# Altium PCB MCU.PcbDoc (part 1 of 2)
Units mm, origin at the board's own origin, x right, y up, seen from the top; angles counter-clockwise.
Board outline 133.25 x 64.9 mm, 2 copper layers (Top Layer, Bottom Layer); 121 components, 111 nets, 596 pads, 405 vias.
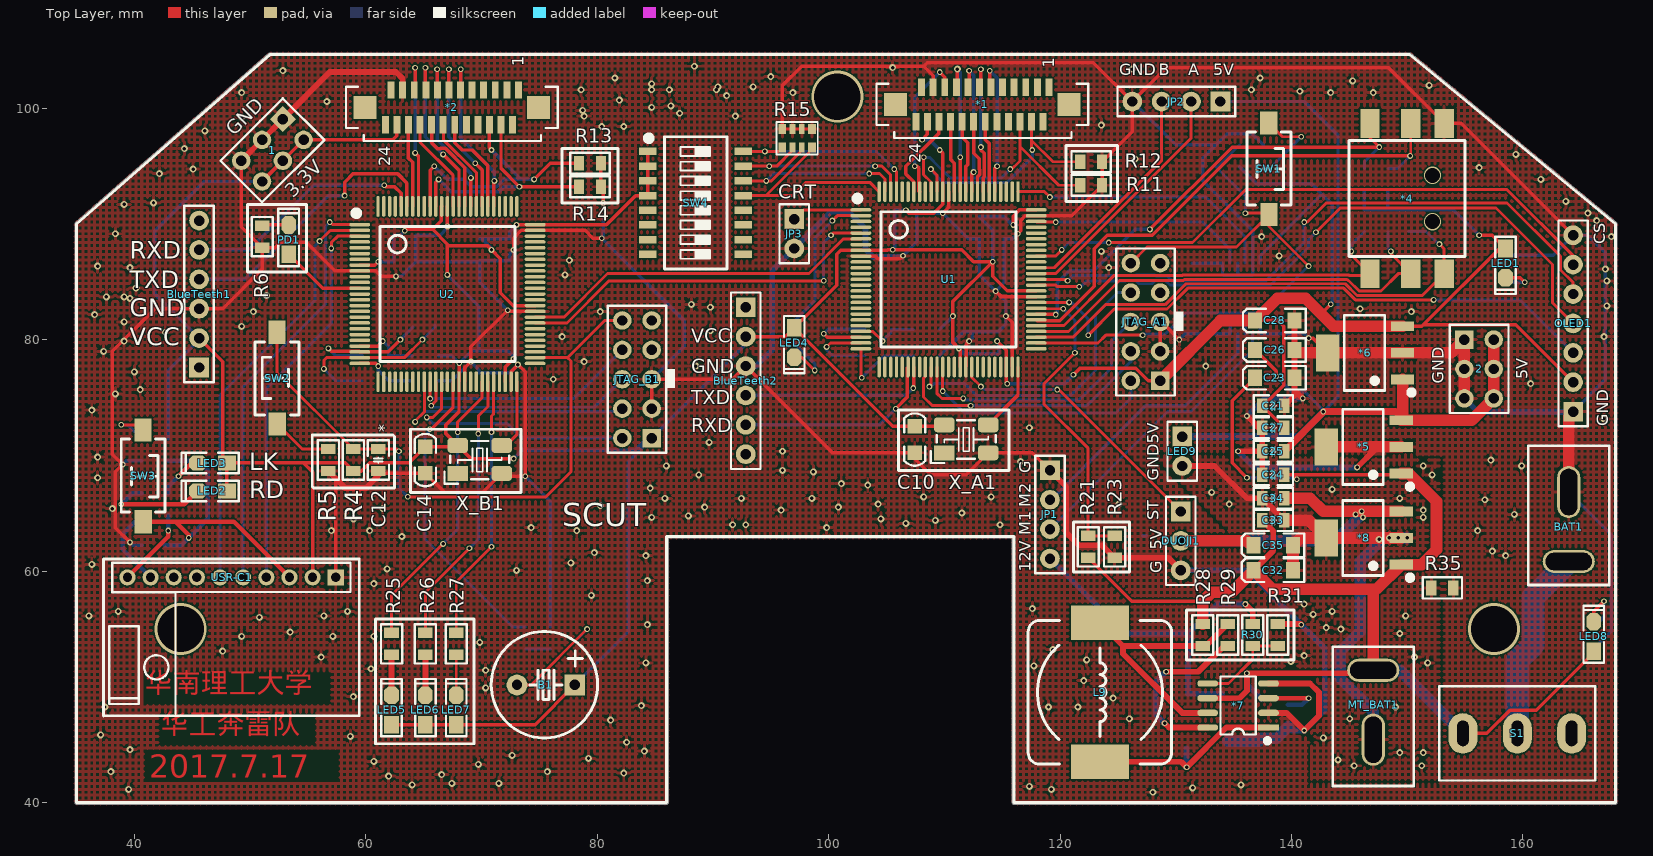
[diagram p0: Top Layer view]
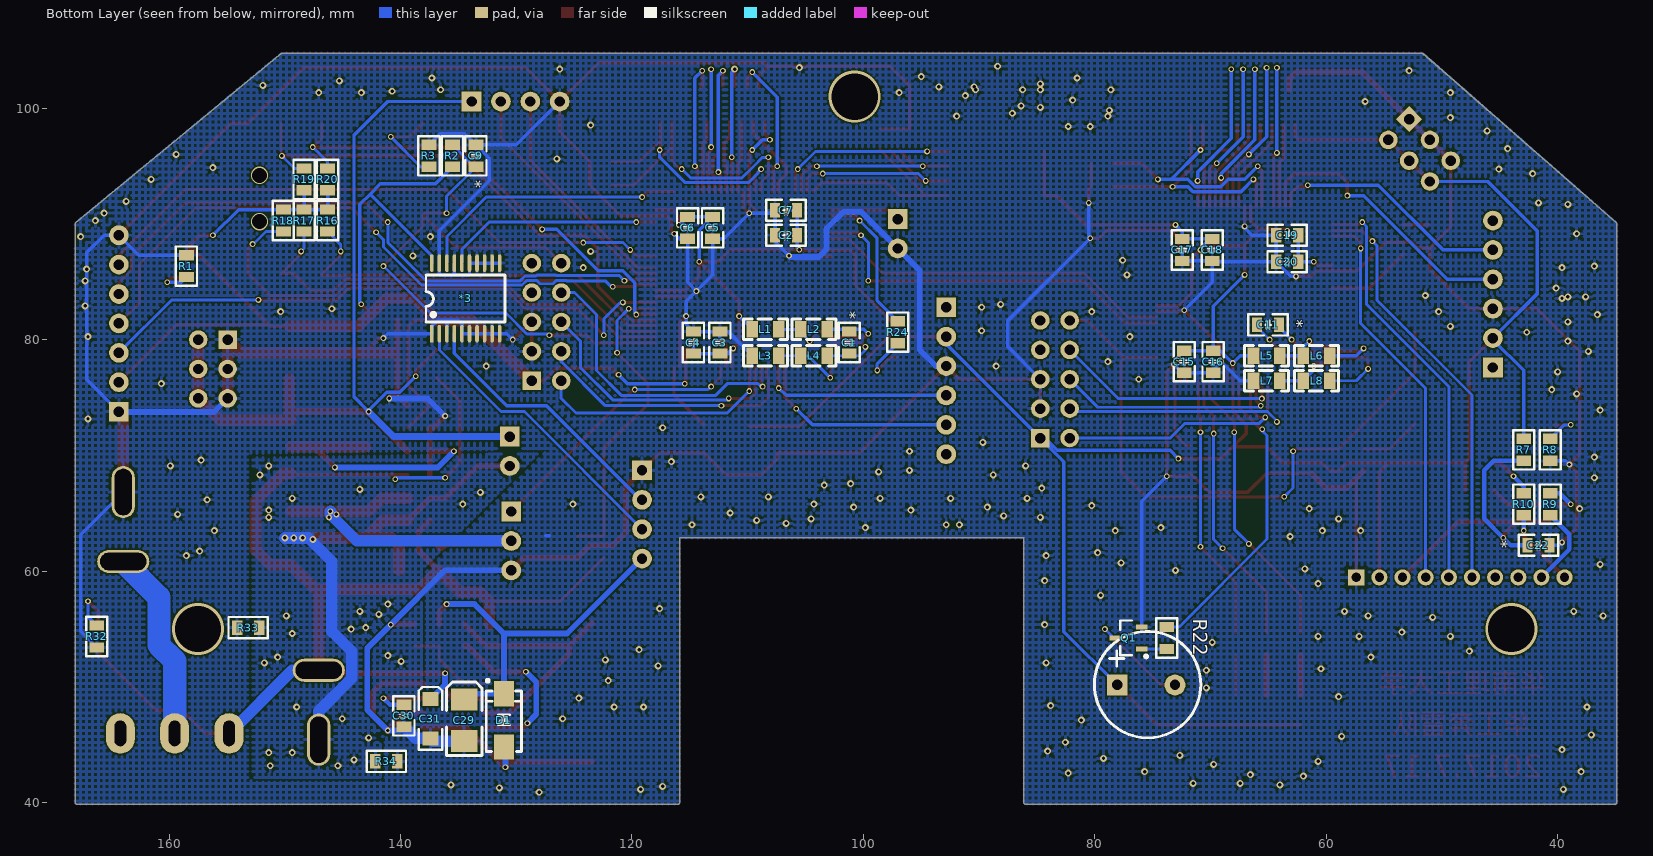
[diagram p1: Bottom Layer view, seen from below]

## Layer stack, top to bottom
Top Solder: solder mask 0.0102, Solder Resist, Dk 3.5
Top Layer: signal copper 0.0356
Dielectric 1: dielectric 0.32, FR-4, Dk 4.8
Bottom Layer: signal copper 0.0356
Bottom Solder: solder mask 0.0102, Solder Resist, Dk 3.5

## Board outline
35,39.873 85.979,39.873 ccw(c85.979,40) 85.99,39.873 ccw(c86,40) 86.127,40 86.127,62.873 115.873,62.873 115.873,40 ccw(c116,40) 116,39.873 168,39.873 ccw(c168,40) 168.127,40 168.127,90 ccw(c168,90) 168.081,90.098 150.294,104.746 cw(c150.213,104.648) 150.294,104.746 ccw(c150.213,104.648) 150.213,104.775 51.741,104.775 ccw(c51.741,104.648) 51.657,104.744 34.916,90.096 ccw(c35,90) 34.873,90 34.873,40 ccw(c35,40)

## Design rules (kind name [scope] priority, off if disabled: settings)
Clearance [All] p1: gap=0.12
Height [All] p1: minheight=0 maxheight=50 prefheight=12.7
HoleSize [All] p1: absolutevalues=TRUE maxlimit=4 minlimit=0.254 maxpercent=80.000 minpercent=20.000
HoleToHoleClearance [All] p1: gap=0.1 allowstackedmicrovias=TRUE
MinimumSolderMaskSliver [All] p1: minsoldermaskwidth=0.09
PolygonConnect [All] p1: connectstyle=Relief reliefconductorwidth=0.254 reliefentries=4 polygonreliefangle="90 Angle" airgapwidth=0.254
RoutingVias [All] p1: holewidth=0.3 width=0.6 viastyle="Through Hole" minholewidth=0.3 minwidth=0.5 maxholewidth=0.8 maxwidth=1.6
SilkToSilkClearance [All] p1: silktosilkclearance=0
SilkToSolderMaskClearance [IsPad] p1: minsilkscreentomaskgap=0 clearancetoexposedcopper=TRUE
SolderMaskExpansion [All] p1: expansion=0.102
Width [All] p1: maxlimit=2 minlimit=0.1 preferedwidth=0.254 minimp=50.000000 maximp=50.000000 favimp=50.000000
24 further rules are at their usual default settings.

## Classes and differential pairs
component class CoreBoard1: C1 C2 C3 C4 C5 C6 C7 C9 C10 JTAG_A1 L1 L2 L3 L4 LED1 R1 R2 R3 SW1 U1 X_A1
component class CoreBoard2: C11 C12 C14 C15 C16 C17 C18 C19 C20 JTAG_B1 L5 L6 L7 L8 PD1 R4 R5 R6 SW2 U2 X_B1
component class MCU: *1 *2 *3 *4 B1 BlueTeeth1 BlueTeeth2 C21 C22 DUOJI1 JP1 JP2 JP3 LED2 LED3 LED4 LED5 LED6 LED7 OLED1 Q1 R7 R8 R9 R10 R11 R12 R13 R14 R15 R16 R17 R18 R19 R20 R21 R22 R23 R24 R25 R26 R27 SW3 SW4 USR-C1
component class Source: 1 2 *5 *6 *7 *8 BAT1 C23 C24 C25 C26 C27 C28 C29 C30 C31 C32 C33 C34 C35 D1 L9 LED8 LED9 MT_BAT1 R28 R29 R30 R31 R32 R33 R34 R35 S1

## Components (designator, comment, footprint, x,y, rotation, side; value= is the part's Value field where it differs from the comment)
1 "Header3X2" HDR-3X2 52.832,99.06 r225 top
2 "Header3X2" HDR-3X2 154.94,80.01 r270 top
*1 "FPC24P" FH12-24S-0.5SV 113.284,100.33 r180 top
*2 "FPC24P" FH12-24S-0.5SV 67.437,100.076 r180 top
*3 "74LVC245" TSSOP-20 137.287,80.518 r90 bottom
*4 "大五向开关" 五向 149.987,92.202 r90 top
*5 "LM7805" SOT223_N 146.177,70.739 r90 top
*6 "LT1963" SOT223_N 146.304,78.867 r90 top
*7 "MC34063" SOP8_N 135.382,48.387 r180 top
*8 "LM7805" SOT223_N 146.177,62.865 r90 top
B1 "DC5V" "BEEP 5x9x5.5" 75.565,50.165 r90 top
BAT1 "Header 2" "SW - duplicate" 163.957,60.833 r90 top
BlueTeeth1 "HDR-1X6" HDR2.54-LI-6P 45.593,83.947 r90 top
BlueTeeth2 "HDR-1X6" HDR2.54-LI-6P 92.837,76.454 r270 top
C1 "105" "C 0805_L" 101.219,79.756 r90 bottom
C2 "104" "C 0805_L" 106.68,89.027 r180 bottom
C3 "104" "C 0805_L" 112.395,79.756 r270 bottom
C4 "104" "C 0805_L" 114.681,79.756 r270 bottom
C5 "104" "C 0805_L" 113.03,89.662 r90 bottom
C6 "104" "C 0805_L" 115.189,89.662 r90 bottom
C7 "104" "C 0805_L" 106.68,91.186 r180 bottom
C9 "105" "C 0805_L" 133.477,95.885 r270 bottom
C10 "104" "C 0805" 107.442,71.374 r90 top
C11 "105" "C 0805_L" 65.024,81.28 r180 bottom
C12 "105" "C 0805_L" 61.087,69.596 r90 top
C14 "104" "C 0805" 65.151,69.596 r90 top
C15 "104" "C 0805_L" 72.263,78.105 r90 bottom
C16 "104" "C 0805_L" 69.774,78.105 r90 bottom
C17 "104" "C 0805_L" 72.441,87.757 r90 bottom
C18 "104" "C 0805_L" 69.85,87.757 r90 bottom
C19 "104" "C 0805_L" 63.373,89.027 r180 bottom
C20 "104" "C 0805_L" 63.373,86.741 r180 bottom
C21 "105" "C 0805_L" 138.43,74.295 r180 top
C22 "105" "C 0805_L" 41.656,62.23 r0 bottom
C23 "Cap2" "CD A(3216)" 138.557,76.708 r0 top
C24 "104" "C 0805_L" 138.43,68.326 r0 top
C25 "104" "C 0805_L" 138.43,70.358 r0 top
C26 "Cap2" "CD A(3216)" 138.557,79.121 r0 top
C27 "104" "C 0805_L" 138.43,72.39 r0 top
C28 "Cap2" "CD A(3216)" 138.557,81.661 r0 top
C29 "Cap Pol1" "CD B(3528)" 134.493,47.117 r270 bottom
C30 "Cap" "C 0805_L" 139.7,47.498 r270 bottom
C31 "Cap Pol1" "CD A(3216)" 137.414,47.244 r270 bottom
C32 "Cap2" "CD A(3216)" 138.43,60.071 r0 top
C33 "104" "C 0805_L" 138.43,64.389 r180 top
C34 "104" "C 0805_L" 138.43,66.294 r0 top
C35 "Cap2" "CD A(3216)" 138.43,62.23 r0 top
D1 "IN5819" SMA 131.064,47.103 r90 bottom
DUOJI1 "HDR-1X3" HDR2.54-LI-3P 130.429,62.611 r270 top
JP1 "HDR-1X4" HDR2.54-LI-4P 119.126,64.897 r270 top
JP2 "HDR-1X4" HDR2.54-LI-4P 130.048,100.584 r180 top
JP3 "HDR-1X2" HDR2.54-LI-2P 97.028,89.154 r270 top
JTAG_A1 "Header 5X2" HDR-5X2 128.651,76.454 r90 top
JTAG_B1 "Header 5X2" HDR-5X2 84.709,71.501 r90 top
L1 "4.8nH" "L 0805" 108.458,80.899 r180 bottom
L2 "4.8nH" "L 0805" 104.267,80.899 r180 bottom
L3 "4.8nH" "L 0805" 108.458,78.613 r180 bottom
L4 "4.8nH" "L 0805" 104.267,78.613 r180 bottom
L5 "4.8nH" "L 0805" 65.151,78.613 r180 bottom
L6 "4.8nH" "L 0805" 60.833,78.613 r180 bottom
L7 "4.8nH" "L 0805" 65.151,76.454 r180 bottom
L8 "4.8nH" "L 0805" 60.833,76.454 r180 bottom
L9 "Inductor" CDRH124 123.444,49.53 r270 top
LED1 "红色" "LED 0805B" 158.496,86.614 r270 top
LED2 "红色" "LED 0805B" 46.736,66.929 r180 top
LED3 "红色" "LED 0805B" 46.736,69.342 r180 top
LED4 "红色" "LED 0805B" 97.028,79.756 r270 top
LED5 "红色" "LED 0805B" 62.23,48.006 r90 top
LED6 "红色" "LED 0805B" 65.151,48.006 r90 top
LED7 "红色" "LED 0805B" 67.818,48.006 r90 top
LED8 "红色" "LED 0805R" 166.116,54.356 r90 top
LED9 "HDR-1X2" HDR-1X2 130.556,71.628 r270 top
MT_BAT1 "Header 2" "SW - duplicate" 147.066,51.435 r270 top
OLED1 "OLED 1.3-12864_7pin" HDR2.54-M-LI-7P 164.338,81.407 r90 top
PD1 "LED" "LED 0805R" 53.34,88.646 r90 top
Q1 "SS8050" SOT23-3L 77.089,54.229 r90 bottom
R1 "1K" "R 0805_L" 158.496,86.36 r90 bottom
R2 "4.7K" "R 0805_L" 135.509,95.885 r270 bottom
R3 "100R" "R 0805_L" 137.541,95.885 r270 bottom
R4 "4.7K" "R 0805_L" 58.928,69.596 r270 top
R5 "100R" "R 0805_L" 56.769,69.596 r90 top
R6 "1K" "R 0805_L" 51.054,88.9 r270 top
R7 "4.7K" "R 0805_L" 42.926,70.485 r90 bottom
R8 "100R" "R 0805_L" 40.64,70.485 r90 bottom
R9 "1K" "R 0805_L" 40.64,65.786 r270 bottom
R10 "1K" "R 0805_L" 42.926,65.786 r270 bottom
R11 "150R" "R 0805_L" 122.682,93.345 r180 top
R12 "150R" "R 0805_L" 122.682,95.377 r180 top
R13 "150R" "R 0805_L" 79.375,95.25 r180 top
R14 "150R" "R 0805_L" 79.375,93.218 r180 top
R15 "103" RCA-8P4R-0603 97.282,97.409 r0 top
R16 "1K" "R 0805_L" 146.304,90.297 r270 bottom
R17 "1K" "R 0805_L" 148.336,90.297 r270 bottom
R18 "1K" "R 0805_L" 150.114,90.297 r270 bottom
R19 "1K" "R 0805_L" 148.336,93.853 r90 bottom
R20 "1K" "R 0805_L" 146.304,93.853 r90 bottom
R21 "20K" "R 0805_L" 122.428,62.103 r90 top
R22 "1K" "R 0805_L" 73.787,54.229 r270 bottom
R23 "10K" "R 0805_L" 124.714,62.103 r90 top
R24 "1K" "R 0805_L" 97.028,80.645 r90 bottom
R25 "1K" "R 0805_L" 62.23,53.721 r90 top
R26 "1K" "R 0805_L" 65.151,53.721 r90 top
R27 "1K" "R 0805_L" 67.818,53.721 r90 top
R28 "Res2" "R 0805_L" 132.334,54.483 r90 top
R29 "Res2" "R 0805_L" 134.493,54.483 r90 top
R30 "Res2" "R 0805_L" 136.652,54.483 r270 top
R31 "Res2" "R 0805_L" 138.811,54.483 r270 top
R32 "1K" "R 0805_L" 166.243,54.356 r270 bottom
R33 "Res2" "R 0805_L" 153.162,55.118 r180 bottom
R34 "Res2" "R 0805_L" 141.224,43.561 r0 bottom
R35 "Res2" "R 0805_L" 153.035,58.547 r180 top
S1 "SW-SPST" MTS-10x 159.512,45.974 r0 top
SW1 "3x6x5" "TSW SMD-3*6*2.5" 138.049,94.742 r270 top
SW2 "3x6x5" "TSW SMD-3*6*2.5" 52.324,76.708 r90 top
SW3 "3x6x5" "TSW SMD-3*6*2.5" 40.767,68.199 r270 top
SW4 "CSW-8P" "CSW1.27 SMD-8P" 88.519,91.821 r270 top
U1 "MK60DN512VLL10" "LQFP100 14x14_N" 110.363,85.217 r270 top
U2 "MK60DN512VLL10" "LQFP100 14x14_N" 67.056,83.947 r270 top
USR-C1 "USR-C215" DIP2.0*1-10-M 57.404,59.436 r90 top
X_A1 "26M" "OSC 5032-4P" 111.887,71.374 r0 top
X_B1 "50M" "OSC 5032-4P" 69.85,69.596 r0 top

## Footprints (in the part's own frame and the unit in brackets; to place one, negate y for a bottom-side part, rotate by r counter-clockwise, add the part's x,y. Pads: shape width x height; smd on the part's side, far side on the other; paste and mask are expansions set on the pad)
"BEEP 5x9x5.5" [mm] "5*9*5.5mm(脚距,直径,高度)"
  rect 1.8x1.8 hole 0.9: 1(0,-2.5)
  round 1.8 hole 0.9: 2(0,2.5)
  silkscreen extent -4.57,-4.47 4.62,4.73, body extent -4.5,-4.5 4.5,4.5, height 5.45
"C 0805" [mil] "无极性贴片电容"
  rect 50x50 smd: 1(-45,0) 2(45,0)
  silkscreen extent -89,-36 89,36, body extent -39,-24 39,24, height 20
"C 0805_L" [mil] "无极性贴片电容"
  rect 35x50 smd: 1(-37.4,0) 2(37.4,0)
  silkscreen extent -67,-36 67,36, body extent -39,-24 39,24, height 20
"CD A(3216)" [mm] "长3.2mm，宽1.6mm，厚1.6mm"
  rect 1.2x1.4 smd: 1(-1.7,0) 2(1.7,0)
  silkscreen extent -2.74,-1.02 2.67,1.02, body extent -1.6,-0.8 1.6,0.8, height 1.6
"CD B(3528)" [mil] "长3.5mm，宽2.8mm，厚1.9mm"
  rect 75x90 smd: 1(-70.87,-0.01) 2(70.86,-0.01)
  silkscreen extent -130,-60 120,60, body extent -69,-55 69,55, height 75
CDRH124 [mm] "12*12*4.5mm（长宽高）"
  rect 3x5 smd: 1(-6,0) 2(6,0)
  silkscreen extent -6.2,-6.2 6.2,6.2, body extent -6,-6 6,6, height 4.55
"CSW1.27 SMD-8P" [mm] "长：11.76mm，宽：5.4mm，高：2.3mm"
  rect 0.65x1.5 smd: 1(-4.445,-4.15) 2(-3.175,-4.15) 3(-1.905,-4.15) 4(-0.635,-4.15) 5(0.635,-4.15) 6(1.905,-4.15) 7(3.175,-4.15) 8(4.445,-4.15) 9(4.445,4.105) 10(3.175,4.105) 11(1.905,4.105) 12(0.635,4.105) 13(-0.635,4.105) 14(-1.905,4.105) 15(-3.175,4.105) 16(-4.445,4.105)
  silkscreen extent -5.84,-4.31 5.72,2.7, body extent -5.88,-4.35 5.88,4.35, height 2.35
DIP2.0*1-10-M [mil]
  rect 55x55 hole 31.5: 1(1,0)
  round 55 hole 31.5: 2(1,78.74) 3(1,157.48) 4(1,236.22) 5(1,314.96) 6(1,393.7) 7(1,472.44) 8(1,551.18) 9(1,629.92) 10(1,708.66)
  silkscreen extent -470,-80 63,790
FH12-24S-0.5SV [mm] "Connector; FH12 Series; 24 Position; 0.5mm Spaced Vertical Mounting"
  rect 2x2 smd: 0(-7.5,0) 0(7.5,0)
  rect 0.6x1.5 smd: 1(-5.75,-1.5) 2(-5.25,1.5) 3(-4.75,-1.5) 4(-4.25,1.5) 5(-3.75,-1.5) 6(-3.25,1.5) 7(-2.75,-1.5) 8(-2.25,1.5) 9(-1.75,-1.5) 10(-1.25,1.5) 11(-0.75,-1.5) 12(-0.25,1.5) 13(0.25,-1.5) 14(0.75,1.5) 15(1.25,-1.5) 16(1.75,1.5) 17(2.25,-1.5) 18(2.75,1.5) 19(3.25,-1.5) 20(3.75,1.5) 21(4.25,-1.5) 22(4.75,1.5) 23(5.25,-1.5) 24(5.75,1.5)
  silkscreen extent -9.14,-1.78 9.14,2.9
HDR2.54-LI-2P [mm] "排针，2脚"
  rect 1.7x1.7 hole 0.9: 1(-1.27,0)
  round 1.7 hole 0.9: 2(1.27,0)
  silkscreen extent -2.54,-1.27 2.54,1.27, body extent -2.54,-1.27 2.54,1.27, height 8.5
HDR2.54-LI-3P [mm] "排针，3脚"
  rect 1.7x1.7 hole 0.9: 1(-2.54,0)
  round 1.7 hole 0.9: 2(0,0) 3(2.54,0)
  silkscreen extent -3.81,-1.27 3.81,1.27, body extent -3.81,-1.27 3.81,1.27, height 8.5
HDR2.54-LI-4P [mm] "排针，4脚"
  rect 1.7x1.7 hole 0.9: 1(-3.81,0)
  round 1.7 hole 0.9: 2(-1.27,0) 3(1.27,0) 4(3.81,0)
  silkscreen extent -5.08,-1.27 5.08,1.27, body extent -5.08,-1.27 5.08,1.27, height 8.5
HDR2.54-LI-6P [mm] "排针，6脚"
  rect 1.7x1.7 hole 0.9: 1(-6.35,0)
  round 1.7 hole 0.9: 2(-3.81,0) 3(-1.27,0) 4(1.27,0) 5(3.81,0) 6(6.35,0)
  silkscreen extent -7.62,-1.27 7.62,1.27, body extent -7.62,-1.27 7.62,1.27, height 8.5
HDR2.54-M-LI-7P [mm] "排母，7脚"
  rect 1.7x1.7 hole 0.9: 1(-7.62,0)
  round 1.7 hole 0.9: 2(-5.08,0) 3(-2.54,0) 4(0,0) 5(2.54,0) 6(5.08,0) 7(7.62,0)
  silkscreen extent -8.89,-1.27 8.89,1.27, body extent -8.89,-1.27 8.89,1.27, height 8.5
HDR-1X2 [mm] "排针，2脚"
  rect 1.7x1.7 hole 0.9: 1(0,0)
  round 1.7 hole 0.9: 2(2.54,0)
  silkscreen extent -1.27,-1.27 3.81,1.27, body extent -1.27,-1.27 3.81,1.27, height 8.5
HDR-3X2 [mm] "双排排针，3x2脚"
  rect 1.6x1.6 hole 0.9: 1(0,0)
  round 1.6 hole 0.9: 2(0,2.54) 3(2.54,0) 4(2.54,2.54) 5(5.08,0) 6(5.08,2.54)
  silkscreen extent -1.27,-1.27 6.35,3.81, body extent -1.27,-1.27 6.35,3.81, height 8.5
HDR-5X2 [mm] "双排排针，5x2脚"
  rect 1.6x1.6 hole 0.9: 1(0,0)
  round 1.6 hole 0.9: 2(0,2.54) 3(2.54,0) 4(2.54,2.54) 5(5.08,0) 6(5.08,2.54) 7(7.62,0) 8(7.62,2.54) 9(10.16,0) 10(10.16,2.54)
  silkscreen extent -1.27,-1.27 11.43,3.81, body extent -1.27,-1.27 11.43,3.81, height 8.5
"L 0805" [mil] "小功率贴片电感"
  rect 40x55 smd: 1(-45,0) 2(45,0)
  silkscreen extent -75,-35 75,35, body extent -39,-24 39,24, height 35
"LED 0805B" [mil] "蓝色0805LED"
  rect 60x50 smd: 1(-50,0)
  oct 60x50 smd: 2(50,0)
  silkscreen extent -90,-35 105,35, body extent -39,-25 39,25, height 32
"LED 0805R" [mil] "红色0805LED"
  rect 60x50 smd: 1(-50,0)
  oct 60x50 smd: 2(50,0)
  silkscreen extent -90,-35 105,35, body extent -39,-25 39,25, height 32
"LQFP100 14x14_N" [mm] "100脚，体宽14x14mm，脚距0.5mm"
  oval 0.3x1.8 smd: 1(-6,-7.575) 2(-5.5,-7.575) 3(-5,-7.575) 4(-4.5,-7.575) 5(-4,-7.575) 6(-3.5,-7.575) 7(-3,-7.575) 8(-2.5,-7.575) 9(-2,-7.575) 10(-1.5,-7.575) 11(-1,-7.575) 12(-0.5,-7.575) 13(0,-7.575) 14(0.5,-7.575) 15(1,-7.575) 16(1.5,-7.575) 17(2,-7.575) 18(2.5,-7.575) 19(3,-7.575) 20(3.5,-7.575) 21(4,-7.575) 22(4.5,-7.575) 23(5,-7.575) 24(5.5,-7.575) 25(6,-7.575) 51(6,7.575) 52(5.5,7.575) 53(5,7.575) 54(4.5,7.575) 55(4,7.575) 56(3.5,7.575) 57(3,7.575) 58(2.5,7.575) 59(2,7.575) 60(1.5,7.575) 61(1,7.575) 62(0.5,7.575) 63(0,7.575) 64(-0.5,7.575) 65(-1,7.575) 66(-1.5,7.575) 67(-2,7.575) 68(-2.5,7.575) 69(-3,7.575) 70(-3.5,7.575) 71(-4,7.575) 72(-4.5,7.575) 73(-5,7.575) 74(-5.5,7.575) 75(-6,7.575)
  oval 1.8x0.3 smd: 26(7.576,-6) 27(7.576,-5.5) 28(7.576,-5) 29(7.576,-4.5) 30(7.576,-4) 31(7.576,-3.5) 32(7.576,-3) 33(7.576,-2.5) 34(7.576,-2) 35(7.576,-1.5) 36(7.576,-1) 37(7.576,-0.5) 38(7.576,0) 39(7.576,0.5) 40(7.576,1) 41(7.576,1.5) 42(7.576,2) 43(7.576,2.5) 44(7.576,3) 45(7.576,3.5) 46(7.576,4) 47(7.576,4.5) 48(7.576,5) 49(7.576,5.5) 50(7.576,6) 76(-7.575,6) 77(-7.575,5.5) 78(-7.575,5) 79(-7.575,4.5) 80(-7.575,4) 81(-7.575,3.5) 82(-7.575,3) 83(-7.575,2.5) 84(-7.575,2) 85(-7.575,1.5) 86(-7.575,1) 87(-7.575,0.5) 88(-7.575,0) 89(-7.575,-0.5) 90(-7.575,-1) 91(-7.575,-1.5) 92(-7.575,-2) 93(-7.575,-2.5) 94(-7.575,-3) 95(-7.575,-3.5) 96(-7.575,-4) 97(-7.575,-4.5) 98(-7.575,-5) 99(-7.575,-5.5) 100(-7.575,-6)
  silkscreen extent -7.23,-8.12 5.84,5.84, body extent -8,-8 8,8, height 1.45
MTS-10x [mm] "MTS10系列3脚扭子开关"
  oval 2.5x3.5 hole 1 slot 2.2 at 90 deg unplated: 1(-4.7,0) 2(0,0) 3(4.7,0)
  silkscreen extent -6.73,-4.06 6.73,4.06, body extent -6.6,-3.95 6.6,3.95, height 30.47
"OSC 5032-4P" [mm] "5mm*3.2mm*0.8mm(长*宽*高)"
  rect 1.8x1.3 smd: 1(-1.9,-1.15)
  rrect50% 1.8x1.3 smd: 2(1.9,-1.15) 3(1.9,1.272) 4(-1.9,1.272)
  silkscreen extent -3.05,-2.03 2.54,1.65, body extent -2.5,-1.6 2.5,1.6, height 0.86
"R 0805_L" [mil] "1/8W贴片电阻"
  rect 35x50 smd: 1(-37.4,0) 2(37.4,0)
  silkscreen extent -67,-36 67,36, body extent -39,-25 39,25, height 20
RCA-8P4R-0603 [mm] "3.2mm*1.6mm*0.6mm(长*宽*厚)"
  rect 0.65x0.9 smd: 1(-1.28,-0.8) 4(1.28,-0.8) 5(1.28,0.8) 8(-1.28,0.8)
  rect 0.5x0.9 smd: 2(-0.4,-0.8) 3(0.4,-0.8) 6(0.4,0.8) 7(-0.4,0.8)
  silkscreen extent -1.78,-1.4 1.78,1.4, body extent -1.6,-0.8 1.6,0.8, height 0.6
SMA [mm] "4.5x2.6*2.2mm（长宽高，不包括引脚）"
  rect 2.2x1.75 smd: 1(-2.3,0) 2(2.3,0)
  silkscreen extent -2.7,-1.52 3.56,1.52, body extent -2.53,-1.3 2.57,1.3, height 2.15
SOP8_N [mm] "5*6*1.8mm（长宽高）"
  rect 1.8x0.55 smd: 1(-2.625,1.905)
  oval 1.8x0.55 smd: 2(-2.625,0.635) 3(-2.625,-0.635) 4(-2.625,-1.905) 5(2.625,-1.905) 6(2.625,-0.635) 7(2.625,0.635) 8(2.625,1.905)
  silkscreen extent -2.69,-2.5 1.52,3.2, body extent -3,-2.5 3,2.5, height 1.9
SOT23-3L [mm] "3x1.3x1mm(长宽高)"
  rect 0.45x1 smd: 1(-0.95,-1.143) 2(0.95,-1.143) 3(0,1.125)
  silkscreen extent -1.72,-1.65 1.5,0.7, body extent -1.5,-1.2 1.5,1.2, height 1.05
SOT223_N [mm] "6.4x7x1.6mm(长宽高)"
  rect 0.85x2 smd: 1(-2.3,-3.302) 2(0,-3.302) 3(2.3,-3.302)
  rect 3.2x2 smd: 2(0,3.175)
  silkscreen extent -3.63,-4.26 3.25,1.75, body extent -3.25,-3.51 3.25,3.51, height 1.65
"SW - duplicate" [mm]
  oval 2x4.5 hole 1.5 slot 4 at 90 deg: 1(0,0)
  oval 4.5x2 hole 1.5 slot 4 at 0 deg: 2(6,0)
  silkscreen extent -2.03,-3.5 10,3.5
TSSOP-20 [mil]
  rect 60x12 smd: 1(0,0)
  oval 60x12 smd: 2(0,-25.59) 3(0,-51.18) 4(0,-76.77) 5(0,-102.36) 6(0,-127.95) 7(0,-153.54) 8(0,-179.13) 9(0,-204.72) 10(0,-230.31) 11(240.16,-230.31) 12(240.16,-204.72) 13(240.16,-179.13) 14(240.16,-153.54) 15(240.16,-127.95) 16(240.16,-102.36) 17(240.16,-76.77) 18(240.16,-51.18) 19(240.16,-25.59) 20(240.16,0)
  silkscreen extent 40,-249 200,20, body extent 6,-254 234,24, height 79
"TSW SMD-3*6*2.5" [mm] "3*6*2.5mm"
  rect 2x1.5 smd: 1(-3.996,-0.02) 2(3.937,0)
  silkscreen extent -3.21,-1.9 3.09,1.9, body extent -4,-1.88 4,1.62, height 2.59
五向 [mm]
  rect 2.5x1.67 smd: 1(-6.5,3.2) 2(-6.5,-0.32) 3(-6.5,-3.2) 4(6.5,-3.2) 5(6.5,-0.32) 6(6.5,3.2)
  silkscreen extent -5,-5 5,5

## Part data
1 2: library part "Header 3X2", "3*2P接插件"
*5 *6 *8: library part LM2940
B1: library part BEEP, "蜂鸣器"
BAT1 MT_BAT1: "Header, 2-Pin"
BlueTeeth1 BlueTeeth2: library part "Header 6", "6P接插件"
C1 C2 C3 C4 C5 C6 C7 C9 C11 C12 C15 C16 C17 C18 C19 C20 C21 C22: library part CAP, "Capacitor"
C10 C14: library part C, "无极性贴片电容"
C23 C26 C28 C30 C32 C35: "Capacitor"
C24 C25 C27 C33 C34: library part Cap, "Capacitor"
C29 C31: "Polarized Capacitor (Radial)"
D1: library part Diode, "Default Diode"
DUOJI1: library part "Header 3", "3P接插件"
JP1 JP2: library part "Header 4", "4P接插件"
JP3 LED9: library part "Header 2", "2P接插件"
JTAG_A1 JTAG_B1: "5*2P接插件"
L1 L2 L3 L4 L5 L6 L7 L8: library part Inductor, "Inductor"
LED1 LED2 LED3 LED4 LED5 LED6 LED7 LED8: library part LED-SMD, "贴片LED"
OLED1: "12864 点阵屏"
Q1: library part 8050-SMD, "高频放大-NPN型"
R1 R2 R3 R4 R5 R6 R7 R8 R9 R10 R11 R12 R13 R14 R21 R22 R23 R24 R25 R26 R27 R32: library part Res2, "Resistor"
R15: library part R-8P4R, "贴片网络排阻"
R16 R17 R18 R19 R20: library part R, "贴片电阻"
R28 R29 R30 R31 R33 R34 R35: "Resistor"
S1: "Single-Pole, Single-Throw Switch"
SW1 SW2 SW3: library part "TSW 3x6", "3x6轻触开关"
SW4: "8路编码开关"
U1 U2: library part MK60DN512ZVLQ10, "MK60DN512ZVLL10"
X_A1 X_B1: library part XTAL-4, "4脚晶振"

## Via types
v1: diameter 0.6, hole 0.3, Top Layer to Bottom Layer, tented both sides, 235 vias
v2: diameter 0.5, hole 0.3, Top Layer to Bottom Layer, tented both sides, 165 vias
v3: diameter 4.5, hole 4, Top Layer to Bottom Layer, tented both sides, 3 vias
v4: diameter 1.5, hole 1.3, Top Layer to Bottom Layer, tented both sides, 2 vias

## Nets (pads, with @x,y where several pads share a name; then routed paths per layer and width w, separated by ;. In a path a pad name is that pad's centre, name@x,y a point inside that pad or via, vN(x,y) a via of type N, cw(c..) or ccw(c..) an arc to the next point about the centre after c; other vN are vias at no path point)
3.3V: 1.2 1.4 1.6 *1.22 *2.22 *3.20 *6.3 B1.1 BlueTeeth1.2 BlueTeeth2.2 C2.2 C3.2 C4.2 C5.2 C6.2 C7.2 C10.2 C14.2 C15.2 C16.2 C17.2 C18.2 C19.2 C20.2 C21.2 C27.2 C28.1 JTAG_A1.1 JTAG_B1.1 L1.1 L5.1 LED1.1 LED2.1 LED3.1 LED4.1 LED5.1 LED6.1 LED7.1 OLED1.2 R2.2 R4.2 R7.2 R16.1 R17.1 R18.1 R19.1 R20.1 SW4.1 SW4.2 SW4.3 SW4.4 U1.8 U1.40 U1.48 U1.61 U1.75 U1.89 U2.8 U2.40 U2.48 U2.61 U2.75 U2.89 USR-C1.2 X_A1.4 X_B1.4 | length 456.5
  Top Layer w0.3: BlueTeeth1.2@45.593,80.137 47.625,78.105 47.625,69.723 LED3.1@48.006,69.342 ; LED2.1@48.006,66.929 LED3.1@48.006,69.342 ; 1.6@51.036,93.672 1.2@54.628,97.264 62.339,97.264 62.687,97.612 *2.22@62.687,98.576 ; USR-C1.2@55.404,59.461 55.404,68.566 54.61,69.36 ; U2.8@59.481,86.447 60.793,86.447 v2(61.087,86.741) ; LED5.1@62.23,46.736 LED6.1@65.151,46.736 LED7.1@67.818,46.736 74.636,46.736 B1.1@78.065,50.165 ; v2(63.373,89.408) 63.5,89.535 65.786,89.535 ; U2.89@66.556,91.522 66.536,91.522 66.536,90.285 65.786,89.535 ; v2(67.056,85.598) 67.056,88.265 ; X_B1.4@67.821,70.739 C14.2@65.151,70.739 63.772,69.36 60.34,69.36 59.626,68.646 R4.2@58.928,68.646 58.214,69.36 54.61,69.36 ; v2(68.072,77.978) 68.072,76.387 U2.40@68.056,76.371 68.056,73.771 66.929,72.644 66.929,71.889 X_B1.4@67.95,70.868 69.095,69.723 v2(72.771,69.723) ; U2.48@72.056,76.371 72.056,77.644 v2(72.771,78.359) ; v2(73.025,89.916) 73.056,89.947 U2.75@74.631,89.947 80.803,89.947 83.312,92.456 SW4.4@84.369,92.456 SW4.3@84.369,93.726 SW4.2@84.369,94.996 SW4.1@84.369,96.266 ; U2.61@74.631,82.947 72.755,82.947 71.628,84.074 71.628,86.995 v2(70.866,87.757) 70.485,88.138 67.183,88.138 67.056,88.265 ; BlueTeeth2.2@92.837,80.264 96.266,80.264 LED4.1@97.028,81.026 ; v2(106.68,91.186) 106.934,90.932 109.093,90.932 109.863,91.702 U1.89@109.863,92.792 109.863,96.131 v2(109.601,96.393) ; v2(108.077,97.282) 108.534,97.739 *1.22@108.534,98.83 ; X_A1.4@109.858,72.517 C10.2@107.442,72.517 105.537,72.517 LED4.1@97.028,81.026 ; U1.40@111.379,77.657 111.379,79.121 v2(111.252,79.248) 110.744,79.756 v2(110.744,82.042) 110.744,83.312 v2(114.173,86.741) ; v2(114.554,79.883) 115.363,79.074 U1.48@115.363,77.641 115.363,76.28 v2(115.443,76.2) ; v2(115.951,89.916) 115.951,90.678 116.49,91.217 U1.75@117.938,91.217 ; U1.61@117.938,84.217 115.427,84.217 114.173,85.471 v2(114.173,86.741) ; v2(121.158,76.962) 121.72,77.524 126.554,77.524 127.624,76.454 JTAG_A1.1@128.651,76.454 ; C28.1@136.857,81.661 138.811,81.661 139.319,81.153 139.319,76.073 137.541,74.295 C21.2@137.48,74.295 139.38,72.395 C27.2@139.38,72.39 ; 142.692,82.367 v2(143.383,83.058) ; *6.3@149.606,81.167 151.271,81.167 151.384,81.28 ; v2(156.21,89.027) 157.353,89.027 LED1.1@158.496,87.884 157.988,87.884 151.384,81.28 ; OLED1.2@164.338,76.327 159.385,81.28 151.384,81.28 ; LED3.1@48.006,69.342 48.024,69.36 54.61,69.36 ; 65.786,89.535 67.056,88.265 ; LED4.1@97.028,81.026 100.711,84.709 100.711,87.376 101.052,87.717 U1.8@102.788,87.717 105.069,87.717 105.121,87.769 v2(105.537,87.769) 111.494,87.769 112.522,86.741 v2(114.173,86.741)
  Top Layer w1: JTAG_A1.1@128.651,76.454 133.858,81.661 C28.1@136.857,81.661 138.762,83.566 141.224,83.566 143.623,81.167 *6.3@149.606,81.167
  Bottom Layer w0.3: R7.2@42.926,71.435 42.926,77.343 45.593,80.01 BlueTeeth1.2@45.593,80.137 41.783,83.947 41.783,89.408 46.047,93.672 1.6@51.036,93.672 ; v2(61.087,86.741) C20.2@62.423,86.741 C19.2@62.423,89.027 62.992,89.027 v2(63.373,89.408) ; L5.1@66.294,78.613 67.437,78.613 v2(68.072,77.978) 69.149,79.055 C16.2@69.774,79.055 ; v2(67.056,85.598) 69.774,82.88 C16.2@69.774,79.055 ; C18.2@69.85,88.707 C18.2@70.043,88.707 ; v2(70.866,87.757) 70.866,87.884 C18.2@70.043,88.707 ; v2(72.771,69.723) 73.479,70.431 83.258,70.431 84.328,71.501 JTAG_B1.1@84.709,71.501 ; v2(72.771,78.359) 72.771,78.547 C15.2@72.263,79.055 C16.2@69.774,79.055 ; v2(73.025,89.916) 72.441,89.332 C17.2@72.441,88.707 C18.2@70.043,88.707 ; B1.1@78.065,50.165 82.677,54.777 82.677,69.469 JTAG_B1.1@84.709,71.501 ; BlueTeeth2.2@92.837,80.264 92.837,79.629 JTAG_B1.1@84.709,71.501 ; v2(105.537,87.769) 105.549,87.769 105.73,87.95 C2.2@105.73,89.027 C7.2@105.73,91.186 v2(106.68,91.186) ; v2(108.077,97.282) 108.712,97.282 v2(109.601,96.393) ; L1.1@109.601,80.899 v2(110.744,82.042) ; v2(111.252,79.248) 111.694,78.806 C3.2@112.395,78.806 C4.2@114.681,78.806 114.681,79.756 v2(114.554,79.883) ; v2(114.173,86.741) 114.173,89.469 C5.2@113.03,90.612 C6.2@115.189,90.612 115.885,89.916 v2(115.951,89.916) ; v2(115.443,76.2) 119.534,76.2 119.546,76.212 120.408,76.212 v2(121.158,76.962) ; R2.2@135.509,94.935 136.972,93.472 141.732,93.472 142.621,92.583 ; *3.20@137.287,86.618 137.287,87.249 142.621,92.583 ; v2(143.383,83.058) 143.51,83.185 143.51,91.694 142.621,92.583 ; R20.1@146.304,92.903 R16.1@146.304,91.247 R17.1@148.336,91.247 ; R19.1@148.336,92.903 R17.1@148.336,91.247 ; v2(156.21,89.027) 153.99,91.247 R18.1@150.114,91.247 R17.1@148.336,91.247
5V: 2.2 2.4 2.6 *5.3 *6.1 C25.2 C26.1 JP2.1 LED9.1 | length 86.4
  Top Layer w0.3: C26.1@136.857,79.121 138.684,77.294 v2(138.684,76.835)
  Top Layer w0.6: C25.2@139.38,70.358 v2@142.779,73.756 ; v2@142.809,73.787 148.985,73.787 *5.3@149.606,73.166
  Top Layer w1: *5.3@149.479,73.039 155.589,73.039 2.6@157.48,74.93 2.4@157.48,77.47 2.2@157.48,80.01 ; *5.3@149.606,73.166 *6.1@149.606,76.567
  Bottom Layer w0.3: JP2.1@133.858,100.584 141.097,100.584 144.018,97.663 144.018,75.057 v2(142.748,73.787) 142.748,73.887 141.185,75.45 140.069,75.45 v2(138.684,76.835)
  Bottom Layer w0.6: LED9.1@130.556,71.628 140.589,71.628 v2(142.748,73.787)
12V: C29.1 D1.2 JP1.4 R30.1 | length 30.8
  Top Layer w0.508: v2(136.017,57.15) 136.652,56.515 R30.1@136.652,55.433
  Bottom Layer w0.508: JP1.4@119.126,61.087 125.603,54.61 131.064,54.61 ; C29.1@134.007,49.403 D1.2@131.064,49.403 131.064,54.61 ; v2(136.017,57.15) 133.604,57.15 131.064,54.61
ADC_BAT: R21.2 R23.2 U1.58 | length 27.3
  Top Layer w0.254: U1.58@117.978,82.677 v2(120.269,82.677) ; v2(121.285,78.867) 118.618,76.2 118.618,74.422 122.428,70.612 R21.2@122.428,63.053 R23.2@124.714,63.053
  Bottom Layer w0.254: v2(120.269,82.677) 121.285,81.661 v2(121.285,78.867)
ADC_CRT_1: JP3.1 U1.1 | length 6.1
  Top Layer w0.254: JP3.1@97.028,90.424 97.821,91.217 U1.1@102.788,91.217
AGND: *8.2 C32.2 C33.1 C34.1 C35.2 LED9.2 MT_BAT1.2 R33.2 R34.2 R35.2 | length 49
  Top Layer w0.5: LED9.2@130.556,69.088 133.35,69.088 136.144,66.294 C34.1@137.48,66.294 C33.1@139.38,64.394
  Top Layer w1: C33.1@139.38,64.389 141.478,64.389 *8.2@143.002,62.865 ; C32.2@140.13,60.071 C35.2@140.13,62.23 140.765,62.865 *8.2@143.002,62.865 ; *8.2@149.479,62.865 *8.2@143.002,62.865
  Bottom Layer w1: MT_BAT1.2@147.066,45.435 147.066,47.894 144.196,50.764 144.196,53.055 145.923,54.782 145.923,60.833 147.955,62.865 v1(149.987,62.865)
  other v1: 145.415,43.18 151.257,43.18 144.018,43.688 149.352,44.323 151.384,44.323 142.748,45.593 145.034,47.244 148.971,48.26 151.765,52.07 139.954,52.197 150.622,52.578 141.097,52.705 149.352,54.61 144.272,54.991 143.002,55.118 149.86,56.134 141.859,56.261 143.51,56.515 141.097,57.15 147.574,62.738 148.463,62.865 149.225,62.865 151.384,64.643 151.384,65.278 134.62,65.786 149.352,66.294 133.096,66.802 143.51,67.056 152.146,68.326 151.384,69.088
BT_RXD_A: BlueTeeth2.5 U1.31 | length 17.6
  Top Layer w0.3: v2(105.791,74.041) 106.795,75.045 106.795,77.573 U1.31@106.863,77.641
  Bottom Layer w0.3: BlueTeeth2.5@92.837,72.644 104.394,72.644 v2(105.791,74.041)
BT_RXD_B: BlueTeeth1.5 U2.96 | length 21.2
  Top Layer w0.3: v2(61.595,93.345) 61.722,93.218 62.484,93.218 63.056,92.646 U2.96@63.056,91.522
  Bottom Layer w0.3: BlueTeeth1.5@45.593,87.757 49.911,87.757 55.499,93.345 v2(61.595,93.345)
BT_TXD_A: BlueTeeth2.4 U1.32 | length 16.6
  Top Layer w0.3: v2(107.315,75.819) 107.363,75.867 U1.32@107.363,77.641
  Bottom Layer w0.3: BlueTeeth2.4@92.837,75.184 106.68,75.184 v2(107.315,75.819)
BT_TXD_B: BlueTeeth1.4 U2.95 | length 24.8
  Top Layer w0.3: v2(58.166,92.456) 58.166,93.599 58.928,94.361 62.738,94.361 63.556,93.543 U2.95@63.556,91.522
  Bottom Layer w0.3: BlueTeeth1.4@45.593,85.217 49.53,85.217 56.769,92.456 v2(58.166,92.456)
BUZ_A: R22.1 U2.39 | length 26.5
  Top Layer w0.254: v2(65.532,72.263) 65.659,72.263 67.556,74.16 U2.39@67.556,76.371
  Bottom Layer w0.254: v2(65.532,72.263) 65.532,72.136 65.117,71.721 65.117,62.772 72.71,55.179 R22.1@73.787,55.179
CAM_A_D0: *1.11 U1.80 | length 12.3
  Top Layer w0.3: v2(113.919,103.251) 113.919,101.945 *1.11@114.034,101.83 ; U1.80@114.363,92.792 114.363,94.805 v2(114.554,94.996)
  Bottom Layer w0.3: v2(113.919,103.251) 114.554,102.616 v2(114.554,94.996)
CAM_A_D1: *1.12 U1.81 | length 6.2
  Top Layer w0.3: *1.12@113.534,98.83 113.534,97.286 113.863,96.957 113.863,95.07 113.882,95.051 113.882,93.925 113.863,93.906 U1.81@113.863,92.792
CAM_A_D2: *1.13 U1.82 | length 12.2
  Top Layer w0.3: v2(113.157,96.647) 113.157,96.393 113.443,96.107 113.443,94.896 113.462,94.877 113.462,94.099 113.363,94 U1.82@113.363,92.792 ; *1.13@113.157,101.953 v2(113.157,103.378)
  Bottom Layer w0.3: v2(113.157,96.647) v2(113.157,103.378)
CAM_A_D3: *1.14 U1.83 | length 6.3
  Top Layer w0.3: *1.14@112.534,98.83 112.534,96.127 113.023,95.638 113.023,94.722 113.042,94.703 113.042,94.273 112.863,94.094 U1.83@112.863,92.792
CAM_A_D4: *1.15 U1.84 | length 12
  Top Layer w0.3: *1.15@112.141,101.937 v2(112.141,103.251) ; U1.84@112.363,92.792 112.363,94.329 v2(112.522,94.488)
  Bottom Layer w0.3: v2(112.141,103.251) 112.522,102.87 v2(112.522,94.488)
CAM_A_D5: *1.16 U1.85 | length 6.3
  Top Layer w0.3: *1.16@111.534,98.83 111.534,97.508 112.014,97.028 112.014,95.123 111.863,94.972 U1.85@111.863,92.792
CAM_A_D6: *1.17 U1.86 | length 12.2
  Top Layer w0.3: *1.17@111.125,101.921 v1(111.125,103.378) ; U1.86@111.363,92.792 111.363,95.742 v2(111.379,95.758)
  Bottom Layer w0.3: v1(111.125,103.378) 111.379,103.124 v2(111.379,95.758)
CAM_A_D7: *1.18 U1.87 | length 6.2
  Top Layer w0.3: *1.18@110.534,98.83 110.534,95.587 110.863,95.258 U1.87@110.863,92.792
CAM_B_D0: *2.11 U2.80 | length 14.9
  Top Layer w0.3: *2.11@68.187,101.576 68.199,101.588 v2(68.199,103.378) ; U2.80@71.056,91.522 71.056,93.662 v2(71.12,93.726)
  Bottom Layer w0.3: v2(68.199,103.378) 68.199,97.409 71.12,94.488 v2(71.12,93.726)
CAM_B_D1: *2.12 U2.81 | length 8.8
  Top Layer w0.3: *2.12@67.687,98.576 67.687,97.032 68.326,96.393 69.215,96.393 70.556,95.052 U2.81@70.556,91.522
CAM_B_D2: *2.13 U2.82 | length 14.8
  Top Layer w0.3: v2(67.183,103.378) 67.183,101.58 *2.13@67.187,101.576 ; v2(69.469,95.25) 70.056,94.663 U2.82@70.056,91.522
  Bottom Layer w0.3: v2(67.183,103.378) 67.183,97.536 v2(69.469,95.25)
CAM_B_D3: *2.14 U2.83 | length 8.3
  Top Layer w0.254: *2.14@66.687,98.576 66.702,98.561 66.702,97.282 69.585,94.399 69.585,91.551 U2.83@69.556,91.522
CAM_B_D4: *2.15 U2.84 | length 14.9
  Top Layer w0.3: v2(66.167,103.378) 66.187,103.358 *2.15@66.187,101.576 ; U2.84@69.056,91.522 69.056,93.948 v2(69.088,93.98)
  Bottom Layer w0.3: v2(66.167,103.378) 66.167,97.282 69.088,94.361 v2(69.088,93.98)
CAM_B_D5: *2.16 U2.85 | length 8.7
  Top Layer w0.3: *2.16@65.687,98.576 65.687,97 66.167,96.52 66.448,96.52 66.46,96.532 66.89,96.532 68.556,94.866 U2.85@68.556,91.522
CAM_B_D6: *2.17 U2.86 | length 15.1
  Top Layer w0.3: *2.17@65.151,101.612 v2(65.151,103.505) ; v2(66.675,96.012) 68.056,94.631 U2.86@68.056,91.522
  Bottom Layer w0.3: v2(65.151,103.505) 65.151,97.536 v2(66.675,96.012)
CAM_B_D7: *2.18 U2.87 | length 8.2
  Top Layer w0.254: *2.18@64.687,98.576 64.687,97.072 67.556,94.203 U2.87@67.556,91.522
CAM_PCL_A: *1.4 R12.2 U1.90 | length 20.4
  Top Layer w0.254: v2(108.839,94.742) 109.363,94.218 U1.90@109.363,92.792 ; *1.4@117.534,98.83 117.534,97.223 ; v2(117.602,96.393) 117.534,96.461 117.534,97.223 ; R12.2@121.732,95.377 119.38,95.377 117.534,97.223
  Bottom Layer w0.254: v2(108.839,94.742) 109.111,94.47 109.111,94.381 109.893,93.599 115.443,93.599 117.602,95.758 v2(117.602,96.393)
CAM_PCL_B: *2.4 R14.2 U2.90 | length 21.2
  Top Layer w0.3: U2.90@66.056,91.522 66.056,93.615 v2(66.294,93.853) ; *2.4@71.687,98.576 71.687,94.81 v2(73.279,93.218) R14.2@78.425,93.218
  Bottom Layer w0.3: v2(66.294,93.853) 67.361,92.786 71.509,92.786 71.941,93.218 v2(73.279,93.218)
CAM_SCL_A: *1.19 U1.93 | length 13
  Top Layer w0.3: v2(107.442,94.996) 107.649,94.996 107.807,94.838 107.807,92.848 U1.93@107.863,92.792 ; v2(109.601,103.124) 110.034,102.691 *1.19@110.034,101.83
  Bottom Layer w0.3: v2(107.442,94.996) 107.442,100.965 v2(109.601,103.124)
CAM_SCL_B: *2.19 U2.93 | length 14
  Top Layer w0.3: v2(64.262,96.139) 64.556,95.845 U2.93@64.556,91.522 ; *2.19@64.262,101.651 v2(64.262,103.505)
  Bottom Layer w0.3: v2(64.262,96.139) v2(64.262,103.505)
CAM_SDA_A: *1.20 U1.94 | length 7.5
  Top Layer w0.3: U1.94@107.363,92.792 107.363,93.636 106.68,94.319 106.68,94.996 109.534,97.85 *1.20@109.534,98.83
CAM_SDA_B: *2.20 U2.94 | length 7.2
  Top Layer w0.3: *2.20@63.687,98.576 63.687,95.698 64.056,95.329 U2.94@64.056,91.522
CAM_VS_A: *1.6 R11.2 U1.91 | length 23
  Top Layer w0.254: v2(108.204,95.758) 108.204,94.263 108.839,93.628 U1.91@108.839,92.816 ; v2(115.697,94.742) 115.697,94.615 116.534,95.452 116.534,96.699 ; *1.6@116.534,98.83 116.534,96.699 ; R11.2@121.732,93.345 119.888,93.345 116.534,96.699
  Bottom Layer w0.254: v2(108.204,95.758) 108.712,95.758 109.504,94.966 110.479,93.991 114.946,93.991 v2(115.697,94.742)
CAM_VS_B: *2.6 R13.2 U2.91 | length 23.6
  Top Layer w0.3: U2.91@65.556,91.522 65.556,94.639 v2(65.913,94.996) ; *2.6@70.687,98.576 70.687,96.572 v2(70.866,96.393) ; v2(74.549,93.853) 75.946,95.25 R13.2@78.425,95.25
  Bottom Layer w0.3: v2(65.913,94.996) 67.056,93.853 68.48,93.853 69.127,93.206 71.335,93.206 71.982,93.853 73.406,93.853 ; v2(70.866,96.393) 73.406,93.853 ; v2(74.549,93.853) 73.406,93.853
CSW_1: R15.1 SW4.16 U1.97 | length 16.9
  Top Layer w0.254: SW4.16@92.624,96.266 v2(94.488,96.266) 95.659,96.266 ; v2(105.664,94.742) 105.863,94.543 U1.97@105.863,92.792
  Bottom Layer w0.254: v2(94.488,96.266) 104.14,96.266 v2(105.664,94.742)
CSW_2: R15.2 SW4.15 U1.98 | length 17.1
  Top Layer w0.254: SW4.15@92.624,94.996 v2(94.869,94.996) 95.513,94.996 R15.2@96.882,96.365 ; v2(104.013,94.996) 104.6,94.996 105.363,94.233 U1.98@105.363,92.792
  Bottom Layer w0.254: v2(94.869,94.996) v2(104.013,94.996)
CSW_3: R15.3 SW4.14 U1.99 | length 18
  Top Layer w0.254: SW4.14@92.624,93.726 v2(94.615,93.726) 95.048,93.726 R15.3@97.682,96.36 ; v2(103.505,94.361) 104.394,94.361 104.863,93.892 U1.99@104.863,92.792
  Bottom Layer w0.254: v2(94.615,93.726) 95.25,94.361 v2(103.505,94.361)
CSW_4: R15.4 SW4.13 U1.100 | length 18.2
  Top Layer w0.254: SW4.13@92.624,92.456 94.578,92.456 ; R15.4@98.562,96.44 94.578,92.456 ; U1.100@104.363,92.792 103.556,93.599 98.044,93.599 96.901,92.456 94.578,92.456
D: *4.3 R18.2 U1.53 | length 44.2
  Top Layer w0.254: U1.53@117.938,80.217 121.111,80.217 123.921,83.027 129.085,83.027 130.894,84.836 144.653,84.836 145.669,83.82 151.305,83.82 *4.3@153.187,85.702 153.187,87.859 v2(152.781,88.265)
  Bottom Layer w0.254: R18.2@150.114,89.347 151.632,89.347 152.714,88.265 v2(152.781,88.265)